# Altium PCB C210_220601.PcbDoc (part 5 of 7) (continued)
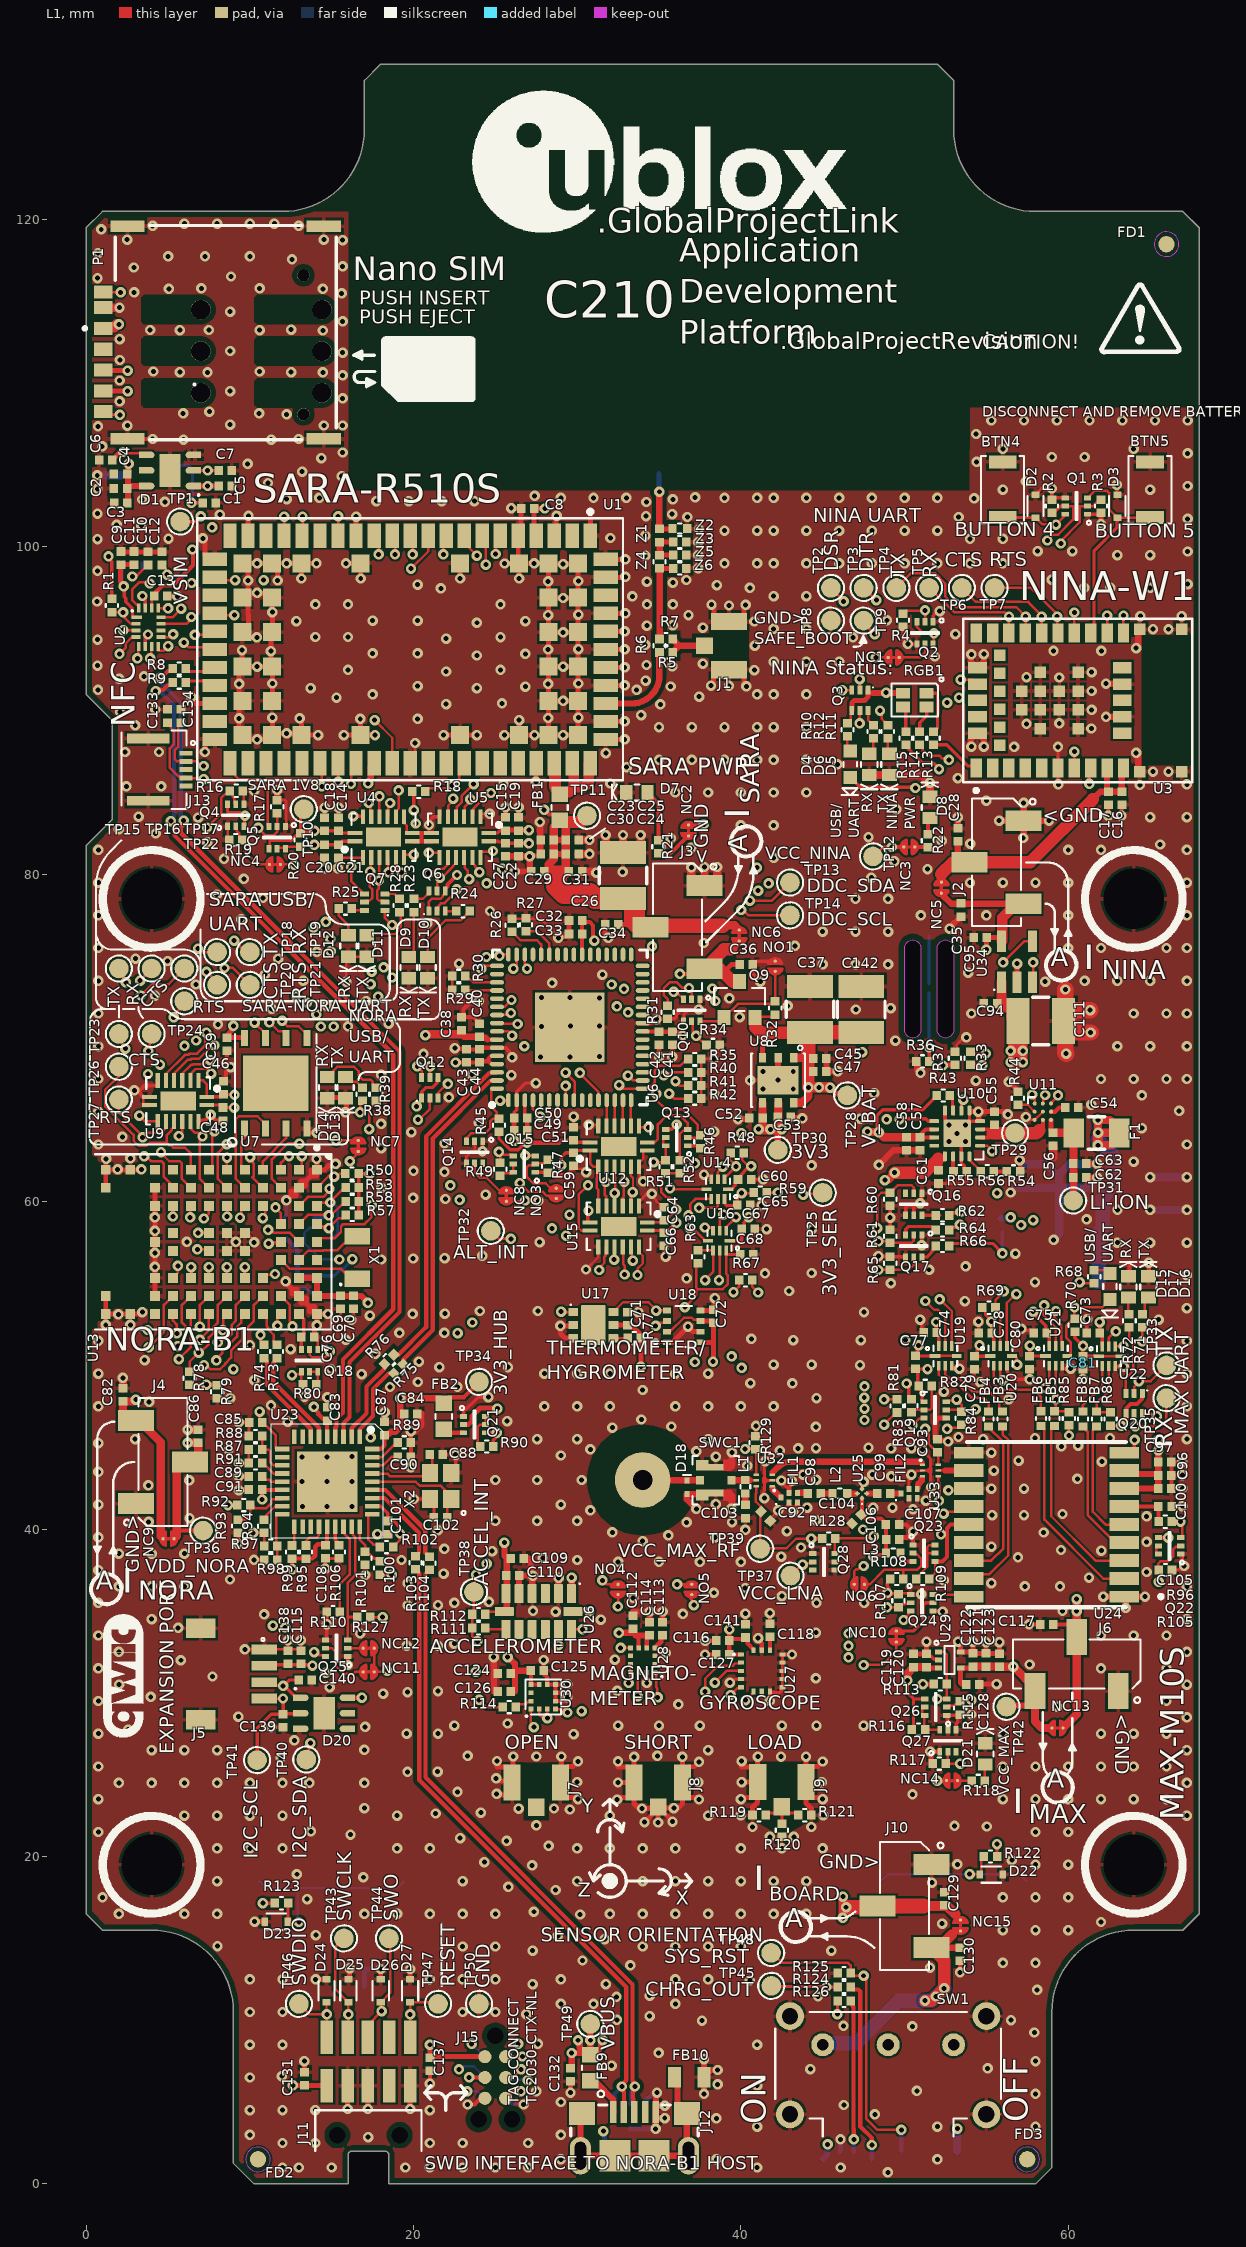
[diagram p0: L1 view]
## Nets (pads, with @x,y where several pads share a name; then routed paths per layer and width w, separated by ;. In a path a pad name is that pad's centre, name@x,y a point inside that pad or via, vN(x,y) a via of type N, cw(c..) or ccw(c..) an arc to the next point about the centre after c; other vN are vias at no path point) (continued)
NetQ10_5: Q10.5 R34.1 U13.C2 | length 39.4
  L1 w0.152: U13.C2@11.9,60.85 11.35,61.4 11.35,62.584 12.349,63.584 12.993,63.584 v1(13.022,63.554) ; Q10.5@36.995,71.027 37.06,70.963 37.06,70.345 v1(37.266,70.139) ; v1@37.266,70.295 v1(37.266,70.139) ; R34.1@37.9,69.583 37.822,69.583 v1(37.266,70.139)
  L3 w0.152: v1(13.022,63.554) 13.022,63.587 12.756,63.853 12.756,68.344 15.118,70.706 v1(15.127,70.706)
  L4 w0.152: v1(15.127,70.706) 15.685,71.263 15.769,71.263 15.773,71.267 17.896,71.267 18.629,72 22.006,72 22.79,72.783 25.34,72.783 25.43,72.874 26.227,72.874 26.622,72.479 26.622,72.353 27.708,71.267 28.045,71.267 28.465,70.847 28.465,70.651 29.242,69.873 35.355,69.873 36.188,70.706 36.699,70.706 v1(37.266,70.139)
NetQ12_3: Q12.3 R39.2 | length 9.4
  L1 w0.152: v1(17.29,64.436) 17.29,65.655 17.725,66.09 R39.2@17.725,66.175 ; Q12.3@21.5,66.341 21.5,66.661 22.043,67.204 v1(22.103,67.204)
  L4 w0.152: v1(17.29,64.436) 17.29,64.815 19.488,67.013 20.612,67.013 20.764,66.86 21.683,66.86 22.043,67.22 22.087,67.22 v1(22.103,67.204)
NetQ12_6: Q12.6 R38.2 | length 6.2
  L1 w0.152: v1(16.733,65.461) 16.733,66.008 R38.2@16.9,66.175 ; v1(20.229,68.275) 20.5,68.005 Q12.6@20.5,67.591
  L4 w0.152: v1(16.733,65.461) 17.058,65.461 19.872,68.275 v1(20.229,68.275)
NetQ13_2: Q13.2 R46.1 U13.J7 | length 45.7
  L1 w0.152: U13.J7@5.3,55.35 5.601,55.651 5.601,55.985 5.549,56.037 v1(5.601,56.089) ; v1(34.826,66.602) 34.85,66.578 34.85,66.2 35.392,65.658 36.417,65.658 37.377,64.698 37.377,64.221 R46.1@37.525,64.074 37.374,63.923 Q13.2@36.75,63.923
  L4 w0.152: v1(5.601,56.089) 6.058,56.546 8.596,56.546 8.925,56.875 11.388,56.875 12.829,58.316 12.829,60.296 11.85,61.275 11.85,63.225 12.725,64.1 13.325,64.1 13.925,63.5 14.476,63.5 14.805,63.171 15.579,63.171 15.737,63.329 16.473,63.329 17.083,62.719 18.294,62.719 18.678,63.103 19.87,63.103 23.842,67.075 25.775,67.075 25.82,67.03 25.849,67.03 26.554,66.325 33.961,66.325 34.16,66.525 34.749,66.525 v1(34.826,66.602)
NetQ14_3: Q14.3 R45.2 U6.64 | length 5.2
  L1 w0.152: Q14.3@23.231,63.701 23.231,63.902 23.509,64.18 24.37,64.18 24.693,64.503 24.693,64.925 24.85,65.083 R45.2@25.225,65.083 25.1,65.208 25.1,65.45 24.75,65.8 24.75,66.8 24.858,66.908 U6.64@25.1,66.908
NetQ15_3: Q15.3 U1.17 | length 52.3
  L1 w0.15: U1.17@13.2,100.7 13.221,100.721 v1(13.221,101.85) ; v1(26.822,62.825) 26.843,62.804 Q15.3@27.447,62.804
  L3 w0.15: v1(13.221,101.85) 13.224,101.853 14.55,101.853 15.148,102.45 16.7,102.45 17.95,101.2 19.975,101.2 21,100.175 21,84.025 24.882,80.143 24.882,80.11 25.295,79.697 25.295,76.62 23.628,74.953 23.628,73.852 24.506,72.975 24.506,66.045 25.606,64.945 25.606,63.407 26.188,62.825 v1(26.822,62.825)
NetQ15_5: Q15.5 Q15.6 R49.2 | length 1.4
  L1 w0.152: R49.2@25.296,61.586 25.338,61.586 25.502,61.75 26.043,61.75 Q15.6@26.097,61.804 Q15.5@26.097,62.304
NetQ16_6: Q16.6 R62.1 | length 1.1
  L1 w0.203: Q16.6@51.063,59.175 R62.1@52.168,59.175
NetQ17_3: Q17.3 R64.1 | length 2.4
  L1 w0.203: Q17.3@50.063,57.97 50.075,57.982 50.075,58.325 50.242,58.492 51.602,58.492 51.852,58.242 R64.1@51.919,58.242
NetQ17_6: Q17.6 R66.1 | length 1.1
  L1 w0.203: Q17.6@51.063,56.62 51.347,56.62 R66.1@51.919,57.192
NetQ18_5: Q18.5 Q18.6 R80.2 | length 1.3
  L1 w0.152: Q18.5@13.65,49.621 Q18.6@14.15,49.621 14.15,48.95 R80.2@14.05,48.85
NetQ19_2: Q19.2 R82.1 R83.1 | length 2.7
  L1 w0.152: R83.1@50.413,47.129 50.563,47.279 Q19.2@51.188,47.279 51.558,47.279 51.663,47.384 R82.1@51.663,48.749
NetQ19_5: Q19.5 Q19.6 R84.2 U20.5 | length 8.2
  L1 w0.152: Q19.5@52.538,47.279 53.388,47.279 R84.2@53.488,47.179 53.488,47.594 53.179,47.904 v1(53.179,47.906) ; Q19.6@52.538,47.779 52.602,47.843 v1@53.21,47.843 ; U20.5@56.556,50.579 56.742,50.579 56.85,50.472 56.85,50.075 v1(56.875,50.05)
  L4 w0.152: v1(53.179,47.906) 53.181,47.909 54.384,47.909 55.275,48.8 55.275,49.3 56.025,50.05 v1(56.875,50.05)
NetQ20_3: Q20.3 R72.2 | length 4.3
  L1 w0.152: Q20.3@63.525,48.3 63.525,49.225 63.975,49.675 63.975,51.451 63.725,51.701 R72.2@63.725,52.336
NetQ20_6: Q20.6 R71.2 | length 6.8
  L1 w0.152: Q20.6@64.525,47.05 65.268,47.05 v1(65.418,46.9) ; v1(64.525,51.475) R71.2@64.525,52.332
  L4 w0.152: v1(64.525,51.475) 65.2,50.8 65.2,47.118 v1(65.418,46.9)
NetQ21_5: Q21.5 Q21.6 R90.2 | length 2.3
  L1 w0.152: R90.2@24.076,45.05 23.938,45.188 23.938,46.27 24.057,46.388 Q21.5@24.403,46.388 Q21.6@24.403,46.888
NetQ22_2: Q22.2 R67.2 R105.1 | length 44.8
  L1 w0.152: R67.2@40.687,55.208 40.687,54.818 v1(41.05,54.456) ; v1(65.525,36.775) 65.538,36.788 R105.1@65.538,37.504 65.5,37.543 65.5,37.9 65.629,38.029 66.104,38.029 66.41,38.335 66.41,38.759 66.576,38.925 66.809,38.925 Q22.2@66.863,38.979
  L4 w0.152: v1(41.05,54.456) 41.527,53.979 46.579,53.979 47.006,54.406 50.107,54.406 50.889,55.188 56.787,55.188 57.45,54.525 60.832,54.525 62.714,52.643 63.117,52.643 63.979,51.781 63.979,50.226 64.871,49.334 64.871,44.514 65.525,43.861 v1(65.525,36.775)
NetQ22_3: Q22.3 R96.2 | length 1.6
  L1 w0.152: R96.2@66.323,40.454 66.335,40.466 66.35,40.451 v1(66.86,40.451) ; v1@66.85,40.451 66.975,40.326 66.975,39.591 Q22.3@66.863,39.479
NetQ22_5: Q22.5 Q22.6 | length 0.6
  L1 w0.152: Q22.6@65.4,38.525 65.363,38.562 65.363,38.925 65.418,38.979 Q22.5@65.513,38.979
NetQ23_5: Q23.5 Q23.6 R109.1 | length 3.2
  L1 w0.152: R109.1@50.713,36.954 50.713,37.029 51.388,37.704 51.388,38.529 ; Q23.5@51.863,38.529 51.388,38.529 ; Q23.6@51.863,39.029 51.511,39.029 51.388,38.906 51.388,38.529
NetQ24_2: Q24.2 R81.1 R107.1 | length 14.2
  L1 w0.152: v1(48.75,46.381) 49.494,47.125 R81.1@49.525,47.125 ; v1(48.921,35.225) R107.1@49.625,35.225 49.8,35.4 50.013,35.4 50.063,35.45 50.334,35.45 Q24.2@50.388,35.504
  L3 w0.152: v1@48.75,46.35 48.6,46.2 48.6,42.662 48.66,42.603 48.66,36.825 48.429,36.595 48.429,35.716 v1(48.921,35.225)
NetQ24_3: Q24.3 U24.9 | length 21.7
  L1 w0.152: v1(49.95,34.45) 50.25,34.75 50.25,34.866 Q24.3@50.388,35.004
  L1 w0.203: U24.9@63.413,44.679 64.032,44.679 64.032,45.432 v1(64.054,45.454)
  L4 w0.203: v1(49.95,34.45) 49.953,34.447 51.356,34.447 51.468,34.334 54.309,34.334 64.054,44.079 v1(64.054,45.454)
NetQ24_6: Q24.6 U24.18 | length 2.2
  L1 w0.152: Q24.6@51.738,36.004 53.788,36.004 U24.18@53.913,35.879
NetQ25_3: Q25.3 R127.2 U23.26 | length 7.8
  L1 w0.152: Q25.3@15.975,33.225 15.975,34.637 15.975,36.702 16.432,37.159 16.432,39.519 16.278,39.673 16.278,40.094 U23.26@16.225,40.147
  L1 w0.203: 15.975,34.637 16.554,34.637 R127.2@16.567,34.625
NetQ26_2: Q26.2 R115.1 U13.D8 | length 78.3
  L1 w0.152: v1(7.199,50.017) 7.33,50.017 7.571,49.776 7.728,49.776 7.734,49.769 8.187,49.769 8.506,50.089 8.506,50.126 8.853,50.473 8.853,50.91 9.55,51.607 9.55,52.023 10.25,52.723 10.25,53.7 U13.D8@10.8,54.25 ; Q26.2@52.575,29.125 52.65,29.2 53,29.2 R115.1@53.275,29.475 ; R115.1@53.393,29.475 R115.1@53.275,29.475 ; v1(54.088,29.554) 53.354,29.554 R115.1@53.275,29.475
  L3 w0.152: v1(54.088,29.554) 52.555,31.088 52.555,33.924 53.39,34.759 53.39,38.552 54.175,39.336 54.175,47.153 v1(54.347,47.325)
  L4 w0.152: v1(7.199,50.017) 7.199,50.199 7.425,50.425 7.425,50.59 7.703,50.868 8.208,50.868 8.426,50.65 10.965,50.65 11.853,51.538 12.865,51.538 14.082,50.322 17.226,50.322 17.428,50.12 17.933,50.12 17.96,50.147 17.966,50.147 18.926,51.107 39.668,51.107 40.15,50.625 47.619,50.625 50.919,47.325 v1(54.347,47.325)
NetQ26_5: Q26.5 Q26.6 Q27.6 R116.2 | length 2.4
  L1 w0.152: Q26.6@51.175,28.65 51.075,28.75 51.075,29.05 51.15,29.125 Q26.5@51.225,29.125 ; Q26.6@51.225,28.625 51.213,28.613 51.213,27.787 R116.2@51.25,27.75 Q27.6@52.15,27.75
NetQ27_2: Q27.2 R117.1 U1.23 | length 116.8
  L1 w0.152: U1.23@7.85,98.15 8.025,97.975 8.03,97.98 v1(9.11,97.98) ; Q27.2@52.65,26.4 52.65,25.8 R117.1@52.525,25.675 v1(53.393,25.675)
  L3 w0.152: v1(9.11,97.98) 9.055,97.98 7.845,96.77 7.845,84.159 8.546,83.458 8.546,83.009 13.648,77.907 13.648,77.496 13.876,77.268 13.876,76.736 v1(13.889,76.722) ; v1(41.05,79.01) 41.121,78.939 41.121,78.191 41.635,77.678 41.635,75.466 46.86,70.241 46.86,68.878 47.165,68.573 47.895,68.573 51.163,65.305 51.163,62.741 53.975,59.928 53.975,57.925 53.125,57.075 53.125,50.8 53.896,50.029 53.896,48.522 53.801,48.427 53.801,46.92 53.87,46.851 53.87,39.463 53.085,38.678 53.085,34.885 52.25,34.05 52.25,30.869 53.393,29.725 v1(53.393,25.675)
  L4 w0.152: v1(13.889,76.722) 13.982,76.63 14.383,76.63 14.434,76.578 14.866,76.578 14.869,76.581 15.743,76.581 16.049,76.275 20.919,76.275 22.377,77.733 23.24,77.733 24.161,78.654 39.654,78.654 40.01,79.01 v1(41.05,79.01)
NetQ28_6: Q28.6 R128.1 U33.4 | length 9.8
  L1 w0.152: Q28.6@45.75,38.5 45.75,39.4 45.805,39.455 47.861,39.455 47.982,39.576 v1(48.112,39.576) ; U33.4@52.064,43.233 52.064,42.872 52.146,42.791 52.146,41.765 v1(52.106,41.725)
  L5 w0.152: v1(48.112,39.576) 49.034,39.576 49.901,40.443 50.823,40.443 v1(52.106,41.725)
NetR5_1: R5.1 R6.2 U1.56 | length 6.1
  L1 w0.391: U1.56@31.3,90.436 33.311,90.436 ccw(c33.311,92.15) 35.025,92.15 R5.1@35.025,93.561
NetR6_1: R6.1 R7.1 Z4.2 Z6.1 | length 5.2
  L1 w0.3: Z4.2@35.047,98.695 Z6.1@35.875,98.695
  L1 w0.391: R6.1@35.047,94.361 Z4.2@35.047,98.695
NetR13_1: R13.1 U3.1 | length 3.2
  L1 w0.203: R13.1@51.775,87.925 52.575,87.925 53.882,86.618 ; 53.887,86.618 53.882,86.618 ; U3.1@54.375,86.5 54.257,86.618 53.882,86.618
NetR13_2: R13.2 RGB1.1 | length 3.1
  L1 w0.203: RGB1.1@51.35,91.075 51.945,91.075 52.017,91.003 52.017,90.667 52.029,90.655 52.029,89.795 52.017,89.783 52.017,88.967 R13.2@51.775,88.725
NetR14_2: R14.2 RGB1.2 | length 1.7
  L1 w0.203: R14.2@50.925,88.725 50.925,89.264 51.35,89.689 RGB1.2@51.35,90.225
NetR15_1: R15.1 U3.8 | length 13.4
  L1 w0.203: R15.1@50.075,87.925 50.075,87.817 51.105,86.787 51.77,86.787 52.105,86.453 v1(52.105,86.426) ; v1(61.29,85.525) 61.29,86.415 U3.8@61.375,86.5
  L3 w0.203: v1(52.105,86.426) 52.107,86.429 54.739,86.429 54.885,86.575 60.24,86.575 v1(61.29,85.525)
NetR15_2: R15.2 RGB1.3 | length 1.6
  L1 w0.203: RGB1.3@49.9,90.225 50.075,90.05 R15.2@50.075,88.725
NetR18_2: R18.2 U1.46 U22.7 | length 67.3
  L1 w0.152: R18.2@20.722,85.05 20.722,85.065 20.906,85.249 22.04,85.249 22.217,85.425 v1(22.347,85.425) 22.796,85.874 22.796,86.496 U1.46@23.1,86.8 ; U22.7@62.483,51.161 62.483,51.7 62.865,52.081 v1(62.906,52.081)
  L3 w0.152: v1(22.347,85.425) 21.857,84.935 21.857,83.661 24.634,80.884 24.938,80.884 25.456,80.366 v1(25.426,80.336) ; v1(40.975,80.414) 40.975,80.175 41.788,80.175 42.25,79.713 42.25,75.713 52.179,65.784 52.179,63.161 55.361,59.98 58.027,59.98 62.899,55.107 62.899,52.089 v1(62.906,52.081)
  L4 w0.152: v1(25.426,80.336) 25.442,80.32 25.57,80.32 25.971,80.721 26.423,80.721 26.595,80.55 30.832,80.55 31.332,81.05 40.339,81.05 v1(40.975,80.414)
NetR26_2: R26.2 U6.44 | length 2.7
  L1 w0.152: R26.2@26.005,76.5 26.528,75.978 27.547,75.978 27.8,75.725 U6.44@27.8,75.159
NetR27_2: R27.2 U6.43 | length 2.4
  L1 w0.152: R27.2@26.875,76.531 27.538,76.531 28.3,75.769 U6.43@28.3,75.108
NetR29_2: R29.2 U6.52 | length 2
  L1 w0.152: R29.2@23.175,72.95 23.216,72.909 24.166,72.909 U6.52@25.125,72.909
NetR30_2: R30.2 U6.51 | length 2.1
  L1 w0.152: R30.2@23.175,73.799 23.248,73.799 23.64,73.408 U6.51@25.1,73.408
NetR33_2: R33.2 U34.4 | length 9.3
  L1 w0.152: R33.2@54.025,69.164 54.133,69.056 v1(54.977,69.056) ; v1(56.025,74.625) 57.308,75.908 U34.4@57.825,75.908
  L4 w0.152: v1(54.977,69.056) 54.977,69.121 55.33,69.475 55.33,73.955 56,74.625 v1(56.025,74.625)
NetR36_2: R36.2 RT1.1 U10.1 | length 13.4
  L1 w0.152: U10.1@54.618,63.423 55.06,63.423 55.354,63.129 v1(55.354,63.097)
  L1 w0.203: v1(51.493,69.425) 51.5,69.418 R36.2@51.5,68.575
  L3 w0.203: v1(51.493,69.425) 52.135,69.425 53.65,67.91 53.65,67.268 55.082,65.835 55.082,63.485 55.354,63.214 v1(55.354,63.097)
  L6 w0.203: v1(51.493,69.425) RT1.1@51.493,72.775
NetR37_1: R37.1 U13.B1 U34.3 | length 58.9
  L1 w0.152: U13.B1@13,61.95 13.183,62.133 v1(13.183,62.781) ; U34.3@57.825,73.408 57.851,73.434 v1(57.851,74.625)
  L1 w0.305: v1(52.349,68.325) 52.372,68.348 53.052,68.348 R37.1@53.075,68.371
  L4 w0.152: v1(13.183,62.781) 13.573,63.171 14.373,63.171 14.678,62.866 15.705,62.866 15.864,63.025 16.347,63.025 16.954,62.417 18.42,62.417 18.801,62.798 19.996,62.798 23.923,66.725 25.723,66.725 26.427,66.02 34.087,66.02 34.122,66.056 50.543,66.056 52.267,67.779 52.267,68.243 v1(52.349,68.325) 52.97,68.325 54.595,69.95 54.595,74.831 54.353,75.073 54.353,75.603 54.75,76 56.476,76 v1(57.851,74.625)
NetR40_2: R40.2 U6.12 | length 9.5
  L1 w0.152: v1(30.168,67.871) 30.168,67.831 31.3,66.698 U6.12@31.3,66.208 ; v1(35.277,67.726) 35.369,67.818 35.694,67.818 35.783,67.908 R40.2@36.775,67.908
  L4 w0.152: v1(30.168,67.871) 30.556,67.871 32.058,67.871 32.767,68.58 33.798,68.58 34.365,68.013 34.959,68.013 35.246,67.726 v1(35.277,67.726)
NetR41_2: R41.2 U6.9 | length 11
  L1 w0.152: v1(29.3,67.883) 29.855,67.328 29.855,66.263 U6.9@29.8,66.208 ; v1(36.009,67.362) 36.009,67.328 36.237,67.1 R41.2@36.775,67.1
  L4 w0.152: v1(29.3,67.883) 29.356,67.883 29.89,68.417 30.452,68.417 30.693,68.176 31.932,68.176 32.641,68.885 33.924,68.885 34.492,68.317 35.458,68.317 36.009,67.766 v1(36.009,67.362)
NetR42_2: R42.2 U6.8 | length 9.7
  L1 w0.152: U6.8@29.3,66.208 v1(29.3,67.075) ; v1(35.621,66.602) 35.923,66.3 R42.2@36.775,66.3
  L4 w0.152: v1(29.3,67.075) 29.55,67.075 29.8,67.325 31.943,67.325 32.893,68.275 33.672,68.275 34.764,67.183 35.04,67.183 v1(35.621,66.602)
NetR43_1: R43.1 U10.7 | length 1
  L1 w0.203: R43.1@52.765,66.49 52.924,66.331 52.924,65.88 52.968,65.835 U10.7@52.968,65.573
NetR44_2: R44.2 U11.B1 | length 1.3
  L1 w0.152: R44.2@56.925,65.925 57.525,65.925 U11.B1@57.95,65.5
  L1 w0.203: R44.2@56.826,65.826 R44.2@56.925,65.925
NetR50_2: R50.2 U11.A1 U13.A2 | length 58.3
  L1 w0.15: v1(57.8,66.55) 57.95,66.4 U11.A1@57.95,66
  L1 w0.152: U13.A2@14.1,60.85 14.825,61.575 15.114,61.575 v1(15.154,61.535) ; v1@15.139,61.575 15.342,61.575 15.487,61.72 15.671,61.72 R50.2@15.842,61.72
  L4 w0.152: v1(15.154,61.535) 16.54,61.535 18.567,59.508 29.058,59.508 29.303,59.753 29.756,59.753 30.11,59.398 30.11,59.268 30.686,58.692 35.312,58.692 36.245,57.76 46.01,57.76 48.579,60.329 49.755,60.329 52.049,58.035 57.822,58.035 58.4,58.612 58.4,61.65 57.954,62.096 57.954,66.396 v1(57.8,66.55)
NetR54_2: R54.2 R56.1 | length 0.8
  L1 w0.254: R56.1@55.458,61.863 55.466,61.854 R54.2@56.256,61.854
NetR55_2: R55.2 U10.14 | length 0.9
  L1 w0.254: U10.14@52.968,62.773 52.968,61.884 R55.2@52.99,61.863
NetR56_2: R56.2 U10.16 | length 1.2
  L1 w0.152: U10.16@53.968,62.773 53.968,62.552 R56.2@54.658,61.863
NetR62_2: R62.2 RGB2.1 | length 2.2
  L1 w0.203: R62.2@52.719,59.175 52.869,59.325 53.362,59.325 v1(53.412,59.375)
  L6 w0.203: v1(53.412,59.375) 53.612,59.175 54.06,59.175 54.31,58.925 54.371,58.925 RGB2.1@54.563,59.117
NetR64_2: R64.2 RGB2.2 | length 2.2
  L1 w0.203: R64.2@52.719,58.26 52.884,58.425 53.358,58.425 53.451,58.518 v1(53.38,58.588)
  L6 w0.203: v1(53.38,58.588) 53.428,58.588 53.758,58.258 RGB2.2@54.554,58.258
NetR66_2: R66.2 RGB2.3 | length 4.9
  L1 w0.203: R66.2@52.719,57.295 52.874,57.45 55.375,57.45 v1(55.975,56.85)
  L6 w0.203: RGB2.3@55.963,58.212 55.963,56.862 v1(55.975,56.85)
NetR67_1: R67.1 U13.E9 | length 41.5
  L1 w0.152: v1(7.96,50.315) 7.96,50.394 8.307,50.741 8.307,50.849 9.225,51.767 9.225,52.365 9.476,52.616 9.476,52.926 U13.E9@9.7,53.15 ; v1(39.549,54.475) 39.887,54.813 R67.1@39.887,55.208
  L3 w0.152: v1(39.44,50.561) 39.794,50.915 39.794,54.231 v1(39.549,54.475)
  L4 w0.152: v1(7.96,50.315) 11.404,50.315 11.514,50.425 12.75,50.425 13.025,50.425 14.22,49.23 15.255,49.23 16.042,50.017 17.103,50.017 17.327,49.793 18.038,49.793 18.086,49.842 18.092,49.842 19.032,50.782 39.218,50.782 v1(39.44,50.561)
NetR69_2: R69.2 U6.1 U20.7 | length 45.4
  L1 w0.152: v1(25.296,66.179) 25.771,66.179 U6.1@25.8,66.208 ; U20.7@55.856,51.179 55.844,51.191 55.844,53.241 R69.2@55.556,53.529 55.556,53.99 56.056,54.49 v1(56.056,54.522)
  L3 w0.152: v1(56.056,54.522) 56.144,54.522 57.343,55.721 57.343,58.346 57.122,58.567 v1(57.122,58.581)
  L4 w0.152: v1(25.296,66.179) 26.709,64.766 26.709,64.632 28.096,63.245 51.493,63.245 51.962,62.775 54.343,62.775 55.349,61.77 56.199,61.77 57.2,60.769 57.2,58.659 v1(57.122,58.581)
NetR77_1: R77.1 U17.4 | length 0.9
  L1 w0.152: U17.4@32.215,51.663 R77.1@33.089,51.663
NetR83_2: R83.2 U13.F9 | length 46.2
  L1 w0.152: v1(8.351,52.142) 8.376,52.167 8.376,52.926 U13.F9@8.6,53.15
  L1 w0.203: v1(50.125,48.9) 50.25,48.775 50.25,48.079 50.263,48.079 R83.2@50.413,47.929
  L4 w0.152: v1(8.351,52.142) 8.351,52.272 8.8,52.721 10.579,52.721 11.457,51.843 13.331,51.843 13.578,51.596 14.927,51.596 15.499,51.024 17.042,51.024 17.43,51.412 39.961,51.412 40.443,50.93 47.745,50.93 49.775,48.9 v1(50.125,48.9)
NetR87_2: R87.2 R88.1 U23.12 | length 2.8
  L1 w0.152: R88.1@10.75,45.682 R87.2@10.75,44.85 11.15,44.85 11.252,44.747 11.252,44.087 11.442,43.897 U23.12@11.975,43.897
NetR89_2: R89.2 U23.35 | length 1.9
  L1 w0.152: U23.35@17.475,44.397 18.067,44.397 18.967,45.297 R89.2@19.039,45.297
NetR91_1: R91.1 U23.13 | length 1.5
  L1 w0.152: R91.1@10.725,44.025 10.832,44.025 11.46,43.397 U23.13@11.975,43.397
NetR92_2: R92.2 R93.1 U23.16 | length 3.9
  L1 w0.152: R93.1@9.289,40.588 9.728,40.588 10.025,40.885 R92.2@10.025,41.467 ; R92.2@10.025,41.592 10.35,41.267 10.992,41.267 11.296,41.571 11.296,41.732 11.397,41.833 11.911,41.833 U23.16@11.975,41.897
NetR94_2: R94.2 U23.17 | length 1.4
  L1 w0.152: R94.2@10.877,40.692 10.877,40.719 11.555,41.397 U23.17@11.975,41.397
NetR95_2: R95.2 U23.22 | length 1.7
  L1 w0.152: R95.2@13.425,39 13.425,39.275 13.618,39.468 14.068,39.468 14.225,39.625 U23.22@14.225,40.147
NetR97_2: R97.2 R98.1 U23.18 | length 3.1
  L1 w0.152: R98.1@11.675,38.122 11.675,38.98 R97.2@11.677,38.982 11.625,39.034 11.625,40.841 11.681,40.897 U23.18@11.975,40.897
NetR99_2: R99.2 U23.19 | length 1.2
  L1 w0.152: R99.2@12.575,39 12.725,39.15 U23.19@12.725,40.147
NetR100_2: R100.2 R101.1 U23.27 | length 2.8
  L1 w0.152: U23.27@16.725,40.147 16.725,39.346 17.05,39.021 R101.1@17.05,38.622 17.175,38.622 17.597,38.2 17.775,38.2 R100.2@17.95,38.025
NetR102_2: R102.2 U23.28 | length 2.7
  L1 w0.152: U23.28@17.475,40.897 17.27,40.897 17.25,40.917 17.25,39.35 17.55,39.05 17.8,39.05 R102.2@17.95,38.9
NetR106_1: R106.1 U23.24 | length 1.2
  L1 w0.203: U23.24@15.225,40.147 15.225,39.354 15.453,39.126 R106.1@15.453,39.007
NetR110_1: R110.1 U23.25 | length 5.6
  L1 w0.152: R110.1@15.486,34.925 15.486,36.611 16.1,37.225 16.1,39.395 15.725,39.77 U23.25@15.725,40.147
NetR111_1: R111.1 U26.8 | length 1
  L1 w0.152: R111.1@24.608,33.875 24.613,33.87 U26.8@25.65,33.87
NetR114_1: R114.1 U30.12 | length 1.1
  L1 w0.152: R114.1@26.25,29.125 26.425,29.3 26.85,29.3 27.05,29.5 U30.12@27.175,29.5
NetTP9_1: TP9.1 U3.27 | length 8.7
  L1 w0.152: TP9.1@47.5,95.5 47.5,95.35 v1(48.175,94.675) ; v1(53.425,91.892) 53.425,91.875 54.2,91.875 U3.27@54.45,91.625
  L3 w0.152: v1(48.175,94.675) 50.958,91.892 v1(53.425,91.892)
NetTP13_1: TP13.1 U1.26 U19.7 | length 89.7
  L1 w0.152: v1(6.643,94.629) 7.39,94.629 7.431,94.669 7.55,94.55 U1.26@7.85,94.85 ; v1(40.55,78.4) 41.9,78.4 TP13.1@43,79.5 ; v1(51.269,53.934) 51.813,53.39 52.037,53.39 52.488,52.939 U19.7@52.488,51.179
  L3 w0.152: v1(6.643,94.629) 6.643,91.791 5.836,90.984 5.836,90.55 6.54,89.845 6.54,85.033 8.241,83.332 8.241,82.883 13.343,77.781 13.343,76.496 13.669,76.17 14.299,76.17 14.325,76.144 14.838,76.144 v1(14.921,76.06) ; v1(40.55,78.4) 40.55,78.331 41.33,77.551 41.33,75.34 46.555,70.115 46.555,68.72 47.007,68.268 47.769,68.268 50.66,65.377 50.66,62.812 52.795,60.677 52.795,53.909 52.372,53.486 51.717,53.486 v1(51.269,53.934)
  L4 w0.152: v1(14.921,76.06) 15.009,76.148 15.721,76.148 15.873,75.996 21.035,75.996 22.47,77.43 23.355,77.43 24.289,78.364 39.788,78.364 39.854,78.43 40.52,78.43 v1(40.55,78.4)
NetTP14_1: TP14.1 U1.27 U19.6 | length 87.9
  L1 w0.152: v1(5.975,94.154) 5.975,94.15 6.25,93.875 7.225,93.875 7.6,93.5 U1.27@7.85,93.75 ; v1(40.016,77.821) 40.146,77.821 40.467,77.5 TP14.1@43,77.5 ; v1(52.146,54.032) 52.168,54.032 52.888,53.311 U19.6@52.888,51.179
  L3 w0.152: v1(5.975,94.154) 6.227,93.902 6.227,91.77 5.556,91.1 5.556,90.434 6.227,89.764 6.227,84.915 7.93,83.212 7.93,82.763 13.038,77.655 13.038,76.37 13.543,75.865 14.381,75.865 14.936,75.31 v1(14.936,75.299) ; v1(40.016,77.821) 40.526,77.311 40.673,77.311 41.025,76.959 41.025,75.213 46.25,69.988 46.25,68.57 46.86,67.961 47.645,67.961 50.356,65.25 50.356,62.686 52.475,60.566 52.475,54.383 52.146,54.054 v1(52.146,54.032)
  L4 w0.152: v1(14.936,75.299) 14.959,75.299 15.376,75.716 21.151,75.716 22.56,77.126 23.566,77.126 23.576,77.135 27.621,77.135 28.085,77.6 39.474,77.6 39.666,77.792 39.987,77.792 v1(40.016,77.821)
NetTP20_1: TP20.1 U4.5 U6.46 | length 33.9
  L1 w0.152: v1(7.358,74.05) 7.837,73.571 8,73.571 TP20.1@8,73.25 ; U4.5@18.422,81.025 18.449,80.999 18.449,80.154 v1(18.475,80.128) ; U6.46@26.8,75.108 26.8,74.375 v1(26.934,74.242)
  L3 w0.152: v1(18.18,74.325) 18.18,74.342 17.781,74.741 17.781,78.729 18.475,79.423 v1(18.475,80.128)
  L4 w0.152: v1(7.358,74.05) 7.358,74.1 8.212,74.954 8.874,74.954 12.932,79.012 16.67,79.012 16.76,79.102 18.338,79.102 18.475,79.239 v1(18.475,80.128) ; v1(18.18,74.325) 18.273,74.417 18.908,74.417 19,74.509 21.524,74.509 22.921,75.906 25.824,75.906 26.934,74.797 v1(26.934,74.242)
NetTP21_1: TP21.1 U4.6 U6.47 | length 34
  L1 w0.15: v1(8.457,74.283) 8.967,74.283 TP21.1@10,73.25 ; v1(26.102,74.242) 26.3,74.439 U6.47@26.3,75.108
  L1 w0.152: U4.6@18.922,81.025 18.922,80.453 v1(19.275,80.1)
  L3 w0.15: v1(18.7,73.7) 18.7,74.605 18.059,75.246 18.059,78.614 18.805,79.36 18.805,79.63 v1(19.275,80.1)
  L4 w0.15: v1(8.457,74.283) 8.457,74.35 8.721,74.35 13.104,78.734 16.785,78.734 16.875,78.824 18.453,78.824 19.187,79.558 19.187,80.012 v1(19.275,80.1) ; v1(18.7,73.7) 19.231,74.231 21.639,74.231 23.011,75.603 25.698,75.603 26.102,75.199 v1(26.102,74.242)
NetU1_6: U1.6 U5.3 | length 18
  L1 w0.152: U5.3@23.597,83.525 23.646,83.574 23.646,83.999 24.618,84.971 v1(24.73,84.971) ; v1(25.025,99.575) 25.025,100.425 U1.6@25.3,100.7
  L3 w0.152: v1@24.73,84.955 24.73,98.158 25.025,98.453 v1(25.025,99.575)
NetU1_7: U1.7 U5.4 | length 17.8
  L1 w0.15: U1.7@24.2,100.7 24.424,100.476 v1(24.424,98.916)
  L1 w0.152: U5.4@23.097,83.525 23.146,83.574 23.146,84.146 23.473,84.473 v1(23.473,84.591)
  L3 w0.15: v1(23.473,84.591) 23.514,84.591 24.424,85.501 v1(24.424,98.916)
NetU1_8: U1.8 U5.5 | length 18.4
  L1 w0.152: U5.5@22.597,83.525 22.646,83.574 22.646,84.121 22.953,84.428 22.953,84.806 v1@23.66,85.514 ; U1.8@23.1,100.7 23.1,100.242 23.867,99.475 v1(23.87,99.475) ; v1@23.55,85.514 v1@23.66,85.514 ; v1(23.675,85.514) v1@23.66,85.514
  L3 w0.152: v1(23.675,85.514) 23.675,85.554 23.309,85.92 23.309,97.562 23.87,98.123 v1(23.87,99.475)
NetU1_9: U1.9 U5.6 | length 18.2
  L1 w0.152: v1(21.822,99.55) 21.822,100.522 U1.9@22,100.7 ; U5.6@22.097,83.525 22.123,83.551 22.123,84.204 22.419,84.5 v1(22.419,84.631)
  L3 w0.152: v1(21.822,99.55) 21.822,98.275 23.004,97.093 23.004,85.176 v1@22.419,84.591
NetU1_10: U1.10 U4.11 | length 18
  L1 w0.15: v1(19.85,98.678) 20.911,99.738 20.911,100.689 U1.10@20.9,100.7
  L1 w0.152: U4.11@18.922,83.525 18.922,83.85 19.099,84.027 v1(19.097,85.137) v1(19.097,85.137)
  L3 w0.15: v1(19.097,85.137) 19.097,85.684 19.522,86.109 19.522,98.35 v1(19.85,98.678)
NetU1_11: U1.11 U4.12 | length 17.9
  L1 w0.152: U4.12@18.422,83.525 18.471,83.574 18.471,84.125 18.578,84.232 v1(18.578,84.362) ; U1.11@19.8,100.7 19.947,100.553 v1(19.947,99.55)
  L3 w0.152: v1(18.578,84.362) 18.522,84.418 18.522,85.572 19.182,86.232 19.182,98.784 19.419,99.021 v1(19.947,99.55)
NetU1_12: U1.12 U4.13 | length 17.6
  L1 w0.152: v1(17.912,84.768) 17.917,84.763 17.917,83.53 U4.13@17.922,83.525 ; U1.12@18.7,100.7 18.872,100.528 v1(18.872,99.55)
  L3 w0.152: v1(17.912,84.768) 17.912,85.109 18.231,85.428 18.231,85.823 18.872,86.465 v1(18.872,99.55)
NetU1_13: U1.13 U4.14 | length 18.1
  L1 w0.152: v1(17.267,84.362) 17.267,84.231 17.373,84.124 17.373,83.574 U4.14@17.422,83.525 ; U1.13@17.6,100.7 17.872,100.428 v1(17.872,99.55)
  L3 w0.152: v1(17.267,84.362) 17.315,84.41 17.315,84.908 17.941,85.533 17.941,85.928 18.522,86.51 18.522,98.9 v1(17.872,99.55)
NetU1_25: U1.25 U22.6 | length 90.9
  L1 w0.15: U1.25@7.85,95.95 7.96,95.84 v1(9.056,95.84)
  L1 w0.152: U22.6@62.883,51.161 63.345,51.161 v1(63.375,51.191)
  L3 w0.152: v1(9.056,95.84) 9.04,95.84 8.15,94.95 8.15,84.285 8.853,83.582 8.853,83.169 13.964,78.059 13.964,77.876 14.65,77.189 v1(14.65,77.099) ; v1(41.7,79.454) 41.7,78.043 41.939,77.804 41.939,75.592 51.874,65.657 51.874,63.035 55.24,59.669 57.906,59.669 62.525,55.05 62.525,52.472 62.357,52.304 62.357,51.733 62.899,51.191 v1(63.375,51.191)
  L4 w0.152: v1(14.65,77.099) 17.121,77.099 17.453,77.43 19.03,77.43 19.143,77.543 21.792,77.543 22.262,78.013 23.124,78.013 24.045,78.933 39.495,78.933 40.125,79.563 41.269,79.563 41.286,79.546 41.608,79.546 v1(41.7,79.454)
NetU6_4: U6.4 U20.6 | length 43.3
  L1 w0.152: U6.4@27.3,66.208 27.3,65.658 27.742,65.215 v1(27.742,65.201) ; U20.6@56.256,51.179 56.256,53.829 56.778,54.351 v1(56.825,54.351)
  L3 w0.152: v1(56.825,54.351) 56.825,54.771 57.675,55.621 57.675,58.692 v1(57.854,58.871)
  L4 w0.152: v1(27.742,65.201) 29.383,63.56 51.643,63.56 52.127,63.075 54.475,63.075 55.475,62.075 56.325,62.075 57.821,60.579 57.821,58.904 v1(57.854,58.871)
NetU6_13: U6.13 U12.14 | length 1.6
  L1 w0.152: U12.14@31.786,64.631 31.8,64.644 U6.13@31.8,66.208
NetU6_14: U6.14 U12.13 | length 1.6
  L1 w0.15: U12.13@32.286,64.631 32.286,66.194 U6.14@32.3,66.208
NetU6_15: U6.15 U12.12 | length 1.6
  L1 w0.152: U12.12@32.786,64.631 32.786,66.194 U6.15@32.8,66.208
NetU6_16: U6.16 U12.11 | length 1.6
  L1 w0.152: U12.11@33.286,64.631 33.286,66.194 U6.16@33.3,66.208
NetU6_54: U6.54 U9.6 | length 25
  L1 w0.152: U9.6@4.875,67.408 4.875,67.818 6.03,68.972 6.248,68.972 6.326,69.05 6.775,69.05 7.271,69.546 7.271,70.229 7.262,70.238 v1(7.351,70.327) ; U6.54@25.1,71.908 25.55,71.908 25.97,72.328 v1(25.99,72.328)
  L4 w0.152: v1(7.351,70.327) 7.426,70.253 7.453,70.253 7.552,70.154 18.629,70.154 20.125,71.65 25.217,71.65 25.895,72.328 v1(25.99,72.328)
NetU6_55: U6.55 U9.5 | length 23.4
  L1 w0.152: U9.5@5.375,67.408 5.375,67.847 6.195,68.668 6.374,68.668 6.432,68.725 6.881,68.725 7.725,69.569 v1(7.817,69.569) ; U6.55@25.1,71.408 25.124,71.432 25.716,71.432 25.814,71.53 v1(25.945,71.53)
  L4 w0.152: v1(7.817,69.569) 7.849,69.569 8.13,69.849 18.755,69.849 20.237,71.331 25.329,71.331 25.436,71.438 25.852,71.438 v1(25.945,71.53)
NetU6_56: U6.56 U9.4 | length 23.6
  L1 w0.152: U9.4@5.875,67.408 5.875,67.825 6.413,68.363 6.5,68.363 6.552,68.415 7.213,68.415 7.453,68.656 v1(7.584,68.656) ; U6.56@25.1,70.908 25.124,70.884 26.334,70.884 v1(26.358,70.86)
  L4 w0.152: v1(7.584,68.656) 7.584,68.662 7.942,69.019 8.04,69.019 8.565,69.544 18.881,69.544 20.363,71.026 25.563,71.026 25.729,70.86 v1(26.358,70.86)
NetU6_57: U6.57 U9.3 | length 22.8
  L1 w0.152: U9.3@6.375,67.408 6.375,67.806 6.521,67.953 6.679,68.11 7.358,68.11 v1(7.637,67.831) ; U6.57@25.1,70.408 25.8,70.408 26.025,70.183 v1(26.025,70.146)
  L4 w0.152: v1(7.637,67.831) 7.637,67.936 8.926,69.225 19.006,69.225 20.502,70.721 25.437,70.721 26.011,70.146 v1(26.025,70.146)
NetU24_11: U24.11 U33.5 | length 1.8
  L1 w0.152: U33.5@52.064,43.583 52.468,43.583
  L1 w0.391: 52.468,43.583 U24.11@53.91,43.583
NetU32_3: U32.3 U33.1 | length 9.3
  L1 w0.391: 41.95,43.475 42.277,43.802 cw(c43.057,43.021) 43.057,44.125 50.95,44.125 cw(c50.95,44.05) 51.025,44.05